# Altium PCB LOGTURTLE_APR_25_TX.PcbDoc (part 4 of 5) (continued)
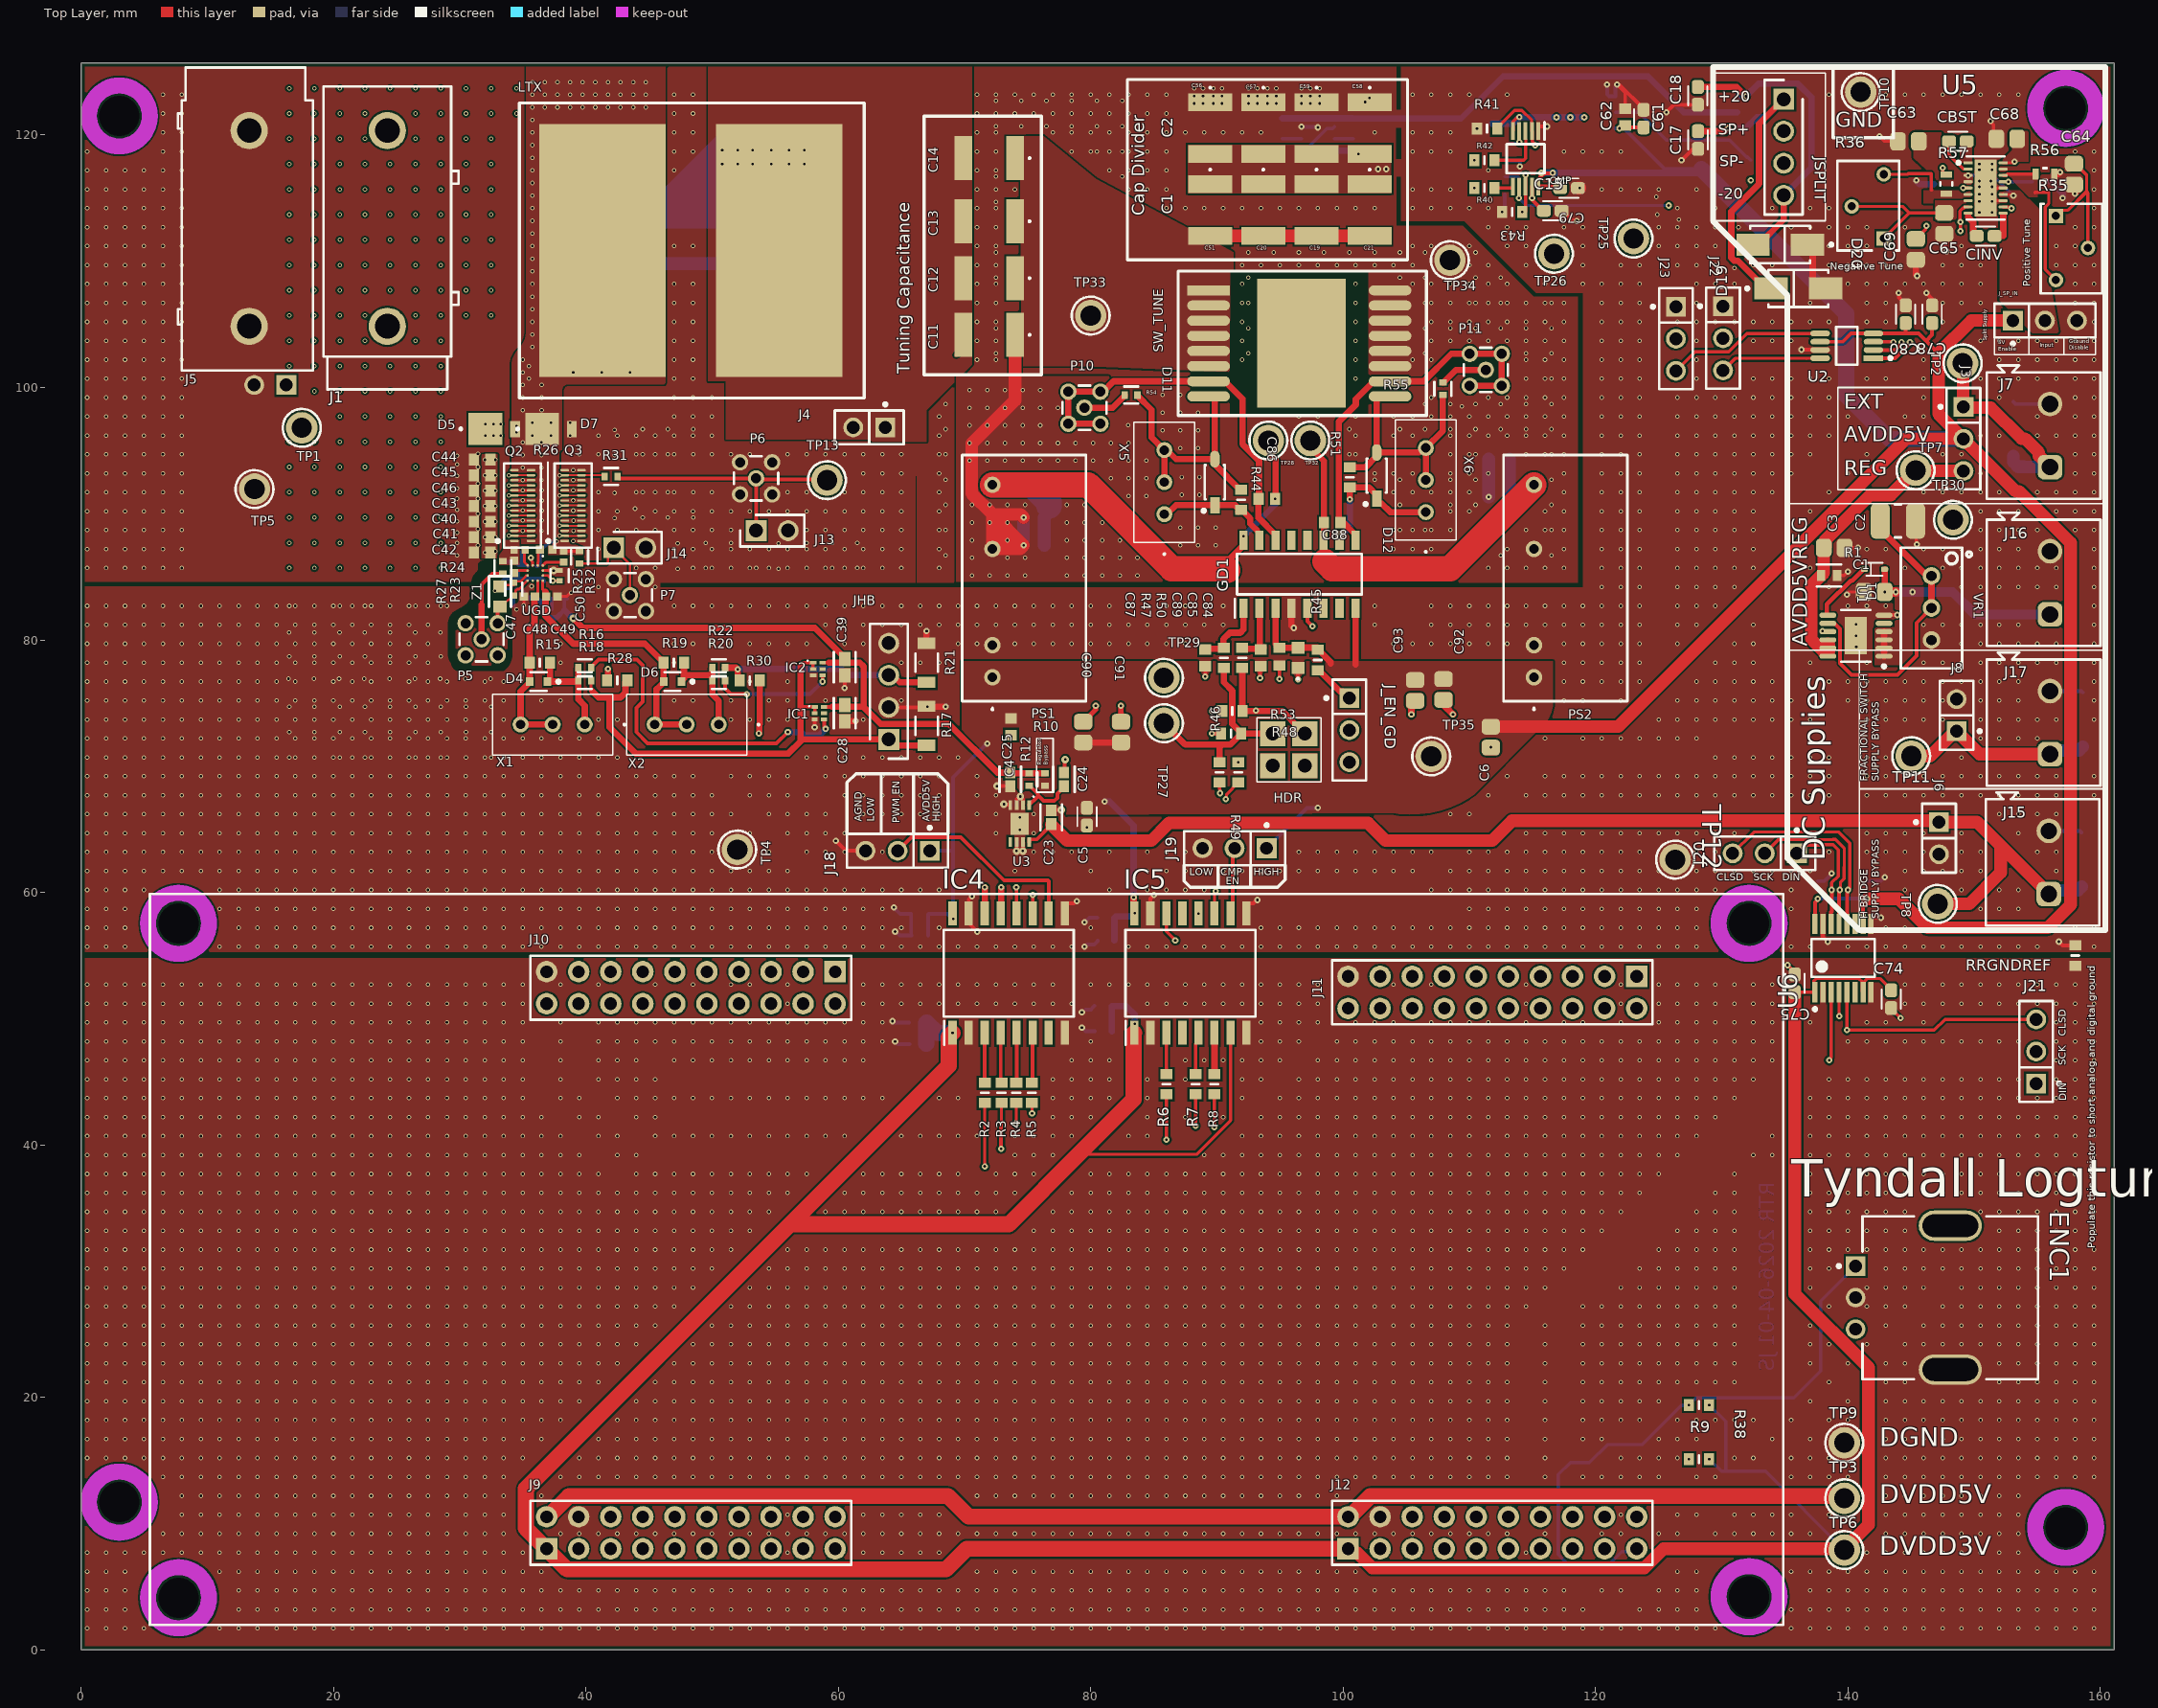
[diagram p0: Top Layer view]
## Nets (pads, with @x,y where several pads share a name; then routed paths per layer and width w, separated by ;. In a path a pad name is that pad's centre, name@x,y a point inside that pad or via, vN(x,y) a via of type N, cw(c..) or ccw(c..) an arc to the next point about the centre after c; other vN are vias at no path point) (continued)
159.49,106.7 0.49,108.2 1.99,108.2 3.49,108.2 4.99,108.2 6.49,108.2 7.99,108.2 46.99,108.2 48.49,108.2 70.99,108.2 72.49,108.2 91.99,108.2 100.99,108.2 105.49,108.2 106.99,108.2 108.49,108.2 109.99,108.2 111.49,108.2 112.99,108.2 115.99,108.2 117.49,108.2 118.99,108.2 120.49,108.2 121.99,108.2 123.49,108.2 127.99,108.2 129.49,108.2 130.99,108.2 139.99,108.2 141.49,108.2 142.99,108.2 144.49,108.2 145.99,108.2 147.49,108.2 148.99,108.2 150.49,108.2 157.99,108.2 159.49,108.2 130.99,109.472 0.49,109.7 1.99,109.7 3.49,109.7 4.99,109.7 6.49,109.7 7.99,109.7 70.99,109.7 72.49,109.7 91.99,109.7 93.49,109.7 94.99,109.7 96.49,109.7 97.99,109.7 99.49,109.7 100.99,109.7 102.49,109.7 103.99,109.7 105.49,109.7 109.99,109.7 111.49,109.7 114.49,109.7 118.99,109.7 121.99,109.7 123.49,109.7 126.49,109.7 127.99,109.7 129.49,109.7 132.49,109.7 133.99,109.7 138.49,109.7 139.99,109.7 141.49,109.7 142.99,109.7 147.49,109.7 148.99,109.7 150.49,109.7 156.49,109.7 157.99,109.7 159.49,109.7 0.49,111.2 1.99,111.2 3.49,111.2 4.99,111.2 6.49,111.2 7.99,111.2 46.99,111.2 48.49,111.2 70.99,111.2 72.49,111.2 105.49,111.2 106.99,111.2 109.99,111.2 112.99,111.2 114.49,111.2 118.99,111.2 120.49,111.2 124.99,111.2 126.49,111.2 127.99,111.2 129.49,111.2 138.49,111.2 139.99,111.2 141.49,111.2 148.99,111.2 156.49,111.2 157.99,111.2 0.49,112.7 1.99,112.7 3.49,112.7 4.99,112.7 6.49,112.7 7.99,112.7 70.99,112.7 72.49,112.7 111.49,112.7 112.99,112.7 114.49,112.7 117.49,112.7 118.99,112.7 120.49,112.7 124.99,112.7 126.49,112.7 127.99,112.7 129.49,112.7 131.315,112.7 135.49,112.7 136.99,112.7 138.49,112.7 139.99,112.7 141.49,112.7 144.49,112.7 157.99,112.7 159.49,112.7 126.6,113.3 124.9,113.7 150.4,113.858 151.4,113.858 0.49,114.2 1.99,114.2 3.49,114.2 4.99,114.2 6.49,114.2 7.99,114.2 70.99,114.2 72.49,114.2 85.99,114.2 87.49,114.2 88.99,114.2 90.49,114.2 91.99,114.2 93.49,114.2 94.99,114.2 96.49,114.2 97.99,114.2 99.49,114.2 100.99,114.2 102.49,114.2 105.49,114.2 106.99,114.2 108.49,114.2 109.99,114.2 111.49,114.2 126.49,114.2 129.49,114.2 133.99,114.2 136.99,114.2 138.49,114.2 159.49,114.2 150.4,114.742 151.4,114.742 124.8,115.1 150.4,115.3 151.4,115.3 0.49,115.7 1.99,115.7 3.49,115.7 4.99,115.7 6.49,115.7 7.99,115.7 70.99,115.7 72.49,115.7 73.99,115.7 82.99,115.7 84.49,115.7 85.99,115.7 105.49,115.7 106.99,115.7 108.49,115.7 120.49,115.7 121.99,115.7 123.49,115.7 124.99,115.7 127.99,115.7 159.49,115.7 150.4,115.9 150.4,116.358 151.317,116.358 0.49,117.2 1.99,117.2 3.49,117.2 4.99,117.2 6.49,117.2 7.99,117.2 46.99,117.2 70.99,117.2 72.49,117.2 81.49,117.2 82.99,117.2 84.49,117.2 85.99,117.2 111.49,117.2 159.49,117.2 150.4,117.242 151.4,117.242 150.4,117.7 151.4,117.7 0.49,118.7 6.49,118.7 7.99,118.7 46.99,118.7 48.49,118.7 70.99,118.7 78.49,118.7 79.99,118.7 81.49,118.7 82.99,118.7 84.49,118.7 85.99,118.7 105.49,118.7 106.99,118.7 108.49,118.7 117.49,118.7 118.99,118.7 120.49,118.7 121.99,118.7 154.99,118.7 156.49,118.7 157.99,118.7 159.49,118.7 6.49,120.2 7.99,120.2 46.99,120.2 48.49,120.2 70.99,120.2 72.49,120.2 76.99,120.2 78.49,120.2 79.99,120.2 81.49,120.2 82.99,120.2 84.49,120.2 85.99,120.2 87.49,120.2 88.99,120.2 90.49,120.2 91.99,120.2 93.49,120.2 102.49,120.2 105.49,120.2 106.99,120.2 108.49,120.2 6.49,121.7 7.99,121.7 46.99,121.7 48.49,121.7 70.99,121.7 72.49,121.7 73.99,121.7 75.49,121.7 76.99,121.7 78.49,121.7 79.99,121.7 81.49,121.7 82.99,121.7 84.49,121.7 85.99,121.7 88.2,122.5 88.9,122.5 89.7,122.5 90.4,122.5 92.5,122.5 93.2,122.5 94,122.5 94.7,122.5 96.7,122.5 97.4,122.5 98.135,122.5 101.754,122.611 102.094,122.95 88.2,123.1 88.9,123.1 89.7,123.1 90.4,123.1 92.5,123.1 93.2,123.1 94,123.1 94.7,123.1 96.7,123.1 97.4,123.1 98.135,123.1 6.49,123.2 7.99,123.2 46.99,123.2 48.49,123.2 70.99,123.2 72.49,123.2 73.99,123.2 75.49,123.2 76.99,123.2 78.49,123.2 79.99,123.2 81.49,123.2 82.99,123.2 84.49,123.2 85.99,123.2 105.49,123.2 106.99,123.2 108.49,123.2 109.99,123.2 112.99,123.2 138.49,123.2 142.99,123.2 144.49,123.2 145.99,123.2 147.49,123.2 148.99,123.2 150.49,123.2 151.99,123.2 153.49,123.2 88.2,123.7 88.9,123.7 89.7,123.7 90.4,123.7 92.5,123.7 93.2,123.7 94,123.7 94.7,123.7 96.7,123.7 97.4,123.7 98.135,123.702
  other v2: 16.5,70.7 18.5,70.7 20.5,70.7 22.5,70.7 24.5,70.7 26.5,70.7 28.5,70.7 30.5,70.7 32.5,70.7 16.5,72.7 18.5,72.7 20.5,72.7 22.5,72.7 24.5,72.7 26.5,72.7 28.5,72.7 30.5,72.7 32.5,72.7 16.5,74.7 18.5,74.7 20.5,74.7 22.5,74.7 24.5,74.7 26.5,74.7 28.5,74.7 30.5,74.7 32.5,74.7 16.45,76.93 18.45,76.93 20.45,76.93 22.45,76.93 24.45,76.93 26.45,76.93 28.45,76.93 30.45,76.93 32.45,76.93 16.5,78.7 18.5,78.7 20.5,78.7 22.5,78.7 24.5,78.7 26.5,78.7 28.5,78.7 16.484,80.6 18.484,80.6 20.484,80.6 22.484,80.6 24.484,80.6 26.484,80.6 28.484,80.6 16.5,82.7 18.5,82.7 20.5,82.7 22.5,82.7 24.5,82.7 26.5,82.7 28.5,82.7 35.7,84.25 47.27,85.65 55.27,85.65 49.5,85.7 51.5,85.7 53.5,85.7 57.5,85.7 59.5,85.7 61.5,85.7 29.8,86.7 68.49,86.7 112.49,86.7 116.49,86.7 31.45,87.5 47.27,87.65 55.27,87.65 29.8,87.7 49.5,87.7 51.5,87.7 57.5,87.7 59.5,87.7 61.5,87.7 39,87.85 29.8,88.5 39.025,88.65 68.49,88.7 104.49,88.7 106.49,88.7 108.49,88.7 114.49,88.7 116.49,88.7 31.45,88.8 29.8,89.4 39.025,89.45 42.27,89.65 44.5,89.7 46.5,89.7 48.5,89.7 31.45,90 39,90.25 29.8,90.3 43.9,90.4 68.49,90.7 104.49,90.7 108.49,90.7 110.49,90.7 116.49,90.7 39,91.05 29.8,91.2 31.45,91.2 42.27,91.65 44.5,91.7 46.5,91.7 48.5,91.7 39,91.85 29.8,92 31.45,92.4 39,92.65 68.49,92.7 102.49,92.7 104.49,92.7 108.49,92.7 110.49,92.7 116.49,92.7 29.8,93 39,93.45 31.45,93.7 29.8,93.9 29.8,94.6 42.27,94.65 44.5,94.7 46.5,94.7 48.5,94.7 68.49,94.7 100.49,94.7 108.49,94.7 110.49,94.7 116.49,94.7 31.45,94.744 38.75,96.2 42.27,96.65 44.5,96.7 46.5,96.7 48.5,96.7 68.49,96.7 100.49,96.7 104.49,96.7 106.49,96.7 108.49,96.7 110.49,96.7 112.49,96.7 114.49,96.7 116.49,96.7 38.75,97.2 68.49,98.7 106.49,98.7 108.49,98.7 110.49,98.7 112.49,98.7 114.49,98.7 116.49,98.7 114.49,100.7 116.49,100.7 72.49,102.7 92.49,102.7 106.49,102.7 114.49,102.7 116.49,102.7 72.49,104.7 92.49,104.7 106.49,104.7 108.49,104.7 110.49,104.7 112.49,104.7 114.49,104.7 116.49,104.7 92.49,106.7 106.49,106.7 110.49,106.7 112.49,106.7 114.49,106.7 116.49,106.7 72.49,108.7 92.49,108.7 104.49,108.7 106.49,108.7 110.49,108.7 112.49,108.7 72.49,110.7 92.49,110.7 94.49,110.7 96.49,110.7 98.49,110.7 100.49,110.7 102.49,110.7 104.49,110.7 106.49,110.7 110.49,110.7 72.49,114.7 72.49,116.7 82.49,116.7 72.49,118.7 80.49,118.7 82.49,118.7 72.49,120.7 74.49,120.7 76.49,120.7 78.49,120.7 80.49,120.7 82.49,120.7 72.49,122.7 74.49,122.7 76.49,122.7 78.49,122.7 80.49,122.7 82.49,122.7
  other v3: 74.375,64.95 74.375,65.95
  other v4: 140.65,79.45 140.625,80.335 140.625,81.225 110.6,120.5
SCK: J20.2 U2.2 U6.13 | length 65.4
  Top Layer w0.254: J20.2@133.4,63.1 134.482,64.182 138.782,64.182 138.795,64.195 139.005,64.195 139.7,63.5 139.7,62.008 139.69,62.018 139.69,61.09 139.397,60.797 139.397,60.247 v3(139.35,60.2)
  Top Layer w0.3: U6.13@139.283,57.5 139.283,60.133 v3(139.35,60.2) ; U2.2@142.01,102.975 143.739,102.975 144.25,103.486 v3(144.25,103.6)
  Mid-Layer 2 w0.3: v3(139.35,60.2) 139.35,60.75 139.69,61.09 139.69,73.508 134.648,78.55 134.648,90.246 144.25,99.848 v3(144.25,103.6)
SK1: C86.1 GD1.14 P10.2 P10.3 P10.4 P10.5 SW_TUNE.7 | length 32.1
  Top Layer w0.5: P10.5@80.77,97.13 P10.2@78.23,97.13 P10.3@78.23,99.67 P10.4@80.77,99.67 80.986,99.67 81.807,100.491 SW_TUNE.7@89.334,100.491 90.624,100.491 92.014,99.101 92.014,95.528 93.34,94.202 C86.1@93.34,91.175 ; C86.1@93.29,91.175 93.29,89.671 94.631,88.33 GD1.14@94.631,87.905
SK2: C88.2 GD1.9 P11.2 P11.3 P11.4 P11.5 SW_TUNE.10 | length 30.4
  Top Layer w0.5: GD1.9@100.981,87.905 100.981,88.33 99.936,89.375 99.9,89.375 99.64,89.635 99.64,97.274 101,98.634 101,99.067 102.424,100.491 SW_TUNE.10@103.714,100.491 106.389,100.491 108.568,102.67 P11.5@110.03,102.67 P11.2@112.57,102.67 P11.3@112.57,100.13 P11.4@110.03,100.13
SMP1: C19.1 C20.1 C21.1 C51.1 C56.2 C57.2 C58.2 C59.2 IC3.6 R40.1 R42.1 | length 13.1
  Top Layer w0.254: v3(110.4,115.8) R42.1@110.575,115.975
  Top Layer w0.5: C58.2@102.096,118.504 C58.2@103.146,118.504
  Mid-Layer 2 w0.5: v3(102.765,117.3) v3(103.4,117.3) 110.4,117.3 ; v3(110.4,115.8) 110.4,117.3 ; v3(110.4,118) 110.4,117.3
  Bottom Layer w0.5: IC3.6@99.3,118.75 100.95,118.75 v3(101.2,118.5)
SP+: C68.2 JSPLIT.2 U5.11 U5.18 | length 1.7
  Top Layer w0.254: U5.11@152.291,114.3 152.296,114.294 152.777,114.294 152.88,114.19 v3(152.947,114.19) ; U5.18@152.291,117.8 153.033,117.8 153.133,117.9 v3(153.2,117.9)
SP-: C69.2 JSPLIT.3 U5.8 | length 3.8
  Top Layer w0.254: C69.2@145.456,111.764 145.456,111.847 146.153,112.544 146.153,112.753 v3(146.2,112.8) ; v3(148.9,112.4) 148.898,112.402 v3(148.896,113.112) v3(148.896,113.112) 148.867,113.141 148.867,113.965 149.1,114.198 149.175,114.198 U5.8@149.277,114.3 ; U5.8@149.2,114.3 U5.8@149.277,114.3 ; U5.8@149.509,114.3 U5.8@149.277,114.3
SW: C7.2 C8.2 C9.2 C10.2 C11.2 C12.2 C13.2 C14.2 J4.1 J4.2 LTX.2 | length 21
  Top Layer w0.3: C11.2@69.35,102.565 69.9,103.115 C11.2@69.9,104.165
  Bottom Layer w0.3: C10.2@41.8,113.9 C9.2@46.8,113.9 C8.2@51.3,113.9 C7.2@55.8,113.9 56.1,113.9 v5(56.1,118.8)
  other v5: 50.8,117.7 52.047,117.705 53.2,117.7 54.7,117.7 56.1,117.7 57.3,117.7 50.8,118.8 52.047,118.805 53.2,118.8 54.7,118.8 57.3,118.8
VCC: C22.2 C25.2 C28.2 C39.2 D8.2 IC1.6 IC2.6 Q1.2 Q1.4 R10.2 R12.2 R29.2 | length 57.2
  Top Layer w0.3: IC2.6@58.75,78.2 59.25,78.2 ; IC1.6@58.875,74.7 59.5,74.7
  Top Layer w0.5: v5(39,81.7) 39.75,80.95 58.141,80.95 60.5,78.591 C39.2@60.5,78.481 ; 59.25,78.2 60.294,78.2 60.5,78.406 60.705,78.201 61.706,78.201 62,77.907 62,74.7 ; 59.5,74.7 62,74.7 ; R10.2@76.375,69.45 R12.2@75.125,69.45 73.666,69.45 C25.2@73.625,69.491 72.609,69.491 68.755,73.345 63.355,73.345 62,74.7
  Bottom Layer w0.2: Q1.4@34.475,84.025 Q1.2@34.925,84.025 35.1,83.85 C22.2@35.1,83.325
  Bottom Layer w0.3: R29.2@38.3,82.425 38.3,83.25 38.325,83.275 D8.2@38.5,83.275
  Bottom Layer w0.4: C22.2@35.1,83.325 36.125,83.325 36.492,82.958 36.492,82.188 36.905,81.775 37.7,81.775 38.3,82.375 R29.2@38.3,82.425
  Bottom Layer w0.5: R29.2@38.3,82.375 38.975,81.7 v5(39,81.7)
VCC1: C86.2 C94.2 C95.2 GD1.16 PS1.7 TP28.1 | length 41.4
  Top Layer w0.5: 90.727,85.649 90.727,86.116 92.091,87.48 GD1.16@92.091,87.905 92.091,88.205 v3(92.098,88.211) ; TP28.1@93.1,95.8 94.66,94.24 94.66,91.178 C86.2@94.657,91.175
  Top Layer w2: PS1.7@72.215,92.287 79.781,92.287 86.419,85.649 90.727,85.649 90.858,85.518
  Bottom Layer w0.5: v3(92.098,88.211) 94.61,90.723 v3(94.61,91.175)
  Bottom Layer w1: C95.2@76.325,87.5 C94.2@76.325,89.7
  Bottom Layer w2: PS1.7@72.215,92.287 75.313,92.287 76.7,90.9 76.7,90.6
VCC2: C88.1 C96.2 C97.2 GD1.11 PS2.7 TP32.1 | length 32.8
  Top Layer w0.5: TP32.1@97.4,95.8 97.4,95.259 98.48,94.179 C88.1@98.48,89.3 98.472,89.292 98.472,87.532 GD1.11@98.465,87.524
  Top Layer w2: 98.591,86.191 98.556,86.227 98.965,85.818 99.134,85.649 108.476,85.649 PS2.7@115.115,92.287
  Bottom Layer w1: C96.2@113.187,91.322 C97.2@113.187,94.322
  Bottom Layer w2: 114.062,91.322 114.15,91.322 PS2.7@115.115,92.287
VDD_UNREG_12V: D18.2 J8.1 J17.1 TP11.1 | length 15.7
  Top Layer w1: TP11.1@145,70.8 146.5,70.8 J8.1@148.47,72.77 ; J17.1@156,70.95 150.42,70.95 J8.1@148.6,72.77 ; J8.1@148.47,72.77 148.6,72.9 J8.1@148.6,72.77 ; J8.1@148.47,72.77 J8.1@148.6,72.77
  Bottom Layer w1: J17.1@156,70.95 156.3,71.25 158.3,71.25 D18.2@158.6,71.55
VDD_UNREG_HB: C23.2 D17.2 J6.1 J15.1 TP8.1 U3.8 | length 97.5
  Top Layer w0.3: U3.8@75.125,64 75.125,64.2 75.725,64.2 C23.2@76.875,65.35
  Top Layer w0.5: C23.2@76.719,65.625 76.875,65.469 C23.2@76.875,65.409 C23.2@76.875,65.35
  Top Layer w1: C23.2@76.875,65.35 78.125,64.1 84.8,64.1 86.2,65.5 101.975,65.5 103.375,64.1 111.791,64.1 113.373,65.682 147.088,65.682 J6.1@147.206,65.564 150.217,65.564 152.086,63.695 ; TP8.1@147.106,59.094 149.606,59.094 152.086,61.574 152.086,63.695 ; J15.1@155.906,59.875 152.086,63.695
  Bottom Layer w1: J15.1@155.906,59.875 156.194,60.162 158.213,60.162 D17.2@158.5,60.45
VG1: Q2.1 R23.2 R24.2 R27.1
VG2: D3.1 Q3.1 R14.1 R25.2 R26.2 R32.1 | length 5
  Top Layer w0.3: R26.2@37.35,87.15 37.525,87.325 37.525,87.636 37.675,87.786 v2(37.675,87.8) ; R25.2@38.25,87.035 38.257,87.042 39.492,87.042 R32.1@39.5,87.05
  Bottom Layer w0.3: R14.1@36.116,85.85 36.17,85.85 36.256,85.936 36.256,85.991 36.355,86.089 D3.1@36.355,86.992 36.355,87.042 37.103,87.79 37.665,87.79 v2(37.675,87.8)
VIN: C29.1 C30.1 C31.1 C32.1 C33.1 C34.1 C35.1 C36.1 C37.1 C38.1 C40.1 C41.1 C42.1 C43.1 C44.1 C45.1 C46.1 D5.1 J1.1 J2.1 Q2.3 Q2.4 Q2.7 Q2.8 Q2.11 Q2.12 Q2.15 Q2.16 Q2.19 Q2.20 Q2.23 Q2.24 Q2.27 Q2.28 TP1.1 | length 9.3
  Top Layer w0.15: Q2.3@34.325,88.25 Q2.4@35.655,88.25 ; Q2.7@34.325,89.05 Q2.8@35.655,89.05 ; Q2.11@34.325,89.85 34.823,89.85 34.838,89.865 35.372,89.865 35.387,89.85 Q2.12@35.655,89.85 ; Q2.15@34.325,90.65 Q2.16@35.655,90.65 ; Q2.19@34.325,91.45 Q2.20@35.655,91.45 ; Q2.23@34.325,92.25 Q2.24@35.655,92.25 ; Q2.27@34.325,93.05 Q2.28@35.655,93.05
  other v2: 16.5,85.7 18.5,85.7 20.5,85.7 22.5,85.7 24.5,85.7 26.5,85.7 28.5,85.7 32,86.925 32.85,87.025 16.5,87.7 18.5,87.7 20.5,87.7 22.5,87.7 24.5,87.7 26.5,87.7 28.5,87.7 32,88.15 32.85,88.15 33.9,88.25 33.9,89.05 32,89.375 32.85,89.375 16.5,89.7 18.5,89.7 20.5,89.7 22.5,89.7 24.5,89.7 26.5,89.7 28.5,89.7 33.9,89.85 32,90.6 32.85,90.6 33.9,90.65 33.9,91.45 16.5,91.7 18.5,91.7 20.5,91.7 22.5,91.7 24.5,91.7 26.5,91.7 28.5,91.7 32,91.825 32.85,91.825 33.9,92.25 32,93.05 32.85,93.05 33.9,93.05 16.5,93.7 18.5,93.7 20.5,93.7 22.5,93.7 24.5,93.7 26.5,93.7 28.5,93.7 32,94.275 32.85,94.275 16.5,95.7 18.5,95.7 20.5,95.7 22.5,95.7 24.5,95.7 26.5,95.7 28.5,95.7 32.042,96.181 32.677,96.181 33.25,96.181 32.042,97.106 32.677,97.106 33.25,97.106 20.5,97.7 22.5,97.7 24.5,97.7 26.5,97.7 28.5,97.7 18.5,99.7 20.5,99.7 22.5,99.7 24.5,99.7 26.5,99.7 28.5,99.7 16.5,101.7 18.5,101.7 20.5,101.7 22.5,101.7 24.5,101.7 26.5,101.7 28.5,101.7 16.5,103.7 18.5,103.7 20.5,103.7 22.5,103.7 26.5,103.7 28.5,103.7 16.5,105.7 18.5,105.7 20.5,105.7 22.5,105.7 26.5,105.7 28.5,105.7 30.5,105.7 32.5,105.7 16.5,107.7 18.5,107.7 20.5,107.7 22.5,107.7 24.5,107.7 26.5,107.7 28.5,107.7 30.5,107.7 32.5,107.7 16.5,109.7 18.5,109.7 20.5,109.7 22.5,109.7 24.5,109.7 26.5,109.7 28.5,109.7 30.5,109.7 32.5,109.7 16.5,111.7 18.5,111.7 20.5,111.7 22.5,111.7 24.5,111.7 26.5,111.7 28.5,111.7 30.5,111.7 32.5,111.7 16.5,113.7 18.5,113.7 20.5,113.7 22.5,113.7 24.5,113.7 26.5,113.7 28.5,113.7 30.5,113.7 32.5,113.7 16.5,115.7 18.5,115.7 20.5,115.7 22.5,115.7 24.5,115.7 26.5,115.7 28.5,115.7 30.5,115.7 32.5,115.7 16.5,117.7 18.5,117.7 20.5,117.7 22.5,117.7 24.5,117.7 26.5,117.7 28.5,117.7 30.5,117.7 32.5,117.7 16.5,119.7 18.5,119.7 20.5,119.7 22.5,119.7 26.5,119.7 28.5,119.7 30.5,119.7 32.5,119.7 16.5,121.7 18.5,121.7 20.5,121.7 22.5,121.7 26.5,121.7 28.5,121.7 30.5,121.7 32.5,121.7 34.5,121.7 16.5,123.7 18.5,123.7 20.5,123.7 22.5,123.7 24.5,123.7 26.5,123.7 28.5,123.7 30.5,123.7 32.5,123.7 34.5,123.7
VREF1: C_VR1.2 CMP.4 J22.2 | length 28.6
  Mid-Layer 2 w0.2: v3(113.95,119.431) v3@114.019,119.431
  Mid-Layer 2 w0.254: v3(113.95,119.431) 113.997,119.478 114.486,119.478 114.703,119.696 122.706,119.696 128.8,113.602 128.8,105.2 J22.2@130.1,103.9
  Bottom Layer w0.2: C_VR1.2@113.134,119.375 113.884,119.375 113.941,119.431 v3(113.95,119.431)
VREF1EXT: J22.3 U2.8 | length 8.1
  Top Layer w0.254: J22.3@130.1,101.36 131.052,102.313 136.713,102.313 ; 136.7,102.3 136.713,102.313 ; U2.8@137.79,102.325 137.778,102.313 136.713,102.313
VREF2: C_VR2.2 CMP.7 J23.2 | length 26.5
  Mid-Layer 2 w0.254: v3(125.783,114.417) 125.783,109.5 127.427,107.856 127.427,104.922 J23.2@126.365,103.86
  Bottom Layer w0.254: C_VR2.2@112.8,116.7 113.801,116.7 113.95,116.551 113.95,115.02 v3(113.933,115.003) 114.519,114.417 v3(125.783,114.417)
VREF2EXT: J23.3 U2.5 | length 12.6
  Top Layer w0.254: J23.3@126.365,101.32 127.883,102.838 130.54,102.838 131.977,104.275 U2.5@137.79,104.275
VSW: C47.2 D5.2 D7.1 LTX.1 P5.2 P5.3 P5.4 P5.5 Q2.2 Q2.5 Q2.6 Q2.9 Q2.10 Q2.13 Q2.14 Q2.17 Q2.18 Q2.21 Q2.22 Q2.25 Q2.26 Q2.29 Q2.30 Q3.3 Q3.4 Q3.7 Q3.8 Q3.11 Q3.12 Q3.15 Q3.16 Q3.19 Q3.20 Q3.23 Q3.24 Q3.27 Q3.28 R31.1 UGD.C1 UGD.D4 Z1.2 | length 24.4
  Top Layer w0.15: Q2.5@34.325,88.65 Q2.6@35.655,88.65 ; Q2.9@34.325,89.45 Q2.10@35.655,89.45 ; Q2.13@34.325,90.25 34.328,90.252 34.997,90.252 v2(35,90.255) ; Q2.17@34.325,91.05 Q2.18@35.655,91.05 ; Q2.21@34.325,91.85 Q2.22@35.655,91.85 ; Q2.25@34.325,92.65 Q2.26@35.655,92.65 ; v2@35,90.25 Q2.14@35.655,90.25 ; Q3.3@38.325,88.25 Q3.4@39.655,88.25 ; Q3.7@38.325,89.05 Q3.8@39.655,89.05 ; Q3.11@38.325,89.85 Q3.12@39.655,89.85 ; Q3.15@38.325,90.65 Q3.16@39.655,90.65 ; Q3.23@38.325,92.25 Q3.24@39.655,92.25 ; Q3.27@38.325,93.05 Q3.28@39.655,93.05 41.4,93.05 R31.1@41.5,92.95 ; Q3.19@38.377,91.444 Q3.20@39.707,91.444
  Top Layer w0.2: Z1.2@33.2,82.625 33.625,83 34.15,83.375 C47.2@34.3,83.525 34.441,83.666 34.441,83.908 34.559,84.025 34.7,84.025 35.375,84.7 UGD.D4@35.39,84.7
  Top Layer w0.225: v4@35.7,86.4 35.7,86.25 35.79,86.16 UGD.C1@35.79,85.9
  Top Layer w0.3: P5.5@33.01,81.32 33.01,82.625 Z1.2@33.2,82.625
  other v2: 37.91,88.25 34.99,88.65 36.49,88.65 37.91,89.05 35,89.475 36.5,89.475 37.91,89.85 36.5,90.25 37.91,90.65 36.499,91.049 34.999,91.054 37.91,91.45 35,91.85 36.5,91.85 37.91,92.25 34.99,92.65 36.49,92.65 37.91,93.05 34.99,93.65 36.49,93.65 34.99,94.65 36.49,94.65 34.99,95.65 36.49,95.65 35.75,96.2 37.25,96.2 34.5,96.45 34.5,96.95 35.75,97.2 37.25,97.2 35,98.2 36.5,98.2 35,99.2 36.5,99.2 35,100.2 36.5,100.2 35.5,100.7 35,101.2 39,101.2 41.25,101.2 43.5,101.2 35.5,101.7 35,102.2 35.75,103.2 35.75,104.2 35.75,105.2 35.75,106.2 35.75,107.2 35.75,108.2 35.75,109.2 35.75,110.2 35.75,111.2 35.75,112.2 35.75,113.2 35.75,114.2 35.75,115.2 35.75,116.2 35.75,117.2 35.75,118.2 35.75,119.2 35.75,120.2 35.75,121.2 35.75,122.2 36.75,122.2 37.75,122.2 38.75,122.2 39.75,122.2 40.75,122.2 41.75,122.2 42.75,122.2 43.75,122.2 44.75,122.2 35.75,123.2 36.75,123.2 37.75,123.2 38.75,123.2 39.75,123.2 40.75,123.2 41.75,123.2 42.75,123.2 43.75,123.2 44.75,123.2 35.75,124.2 36.75,124.2 37.75,124.2 38.75,124.2 39.75,124.2 40.75,124.2 41.75,124.2 42.75,124.2 43.75,124.2 44.75,124.2
  other v4: 35.65,86.5
pads on no net: GD1.6 GD1.7 GD1.12 GD1.13 IC1.5 IC2.5 IC4.7 IC5.4 IC5.13 SW_TUNE.PAD TP30.1 U1.5 U3.5 U6.6 U6.11 UGD.C4